# KiCad board pannel_v2.kicad_pcb (continued)
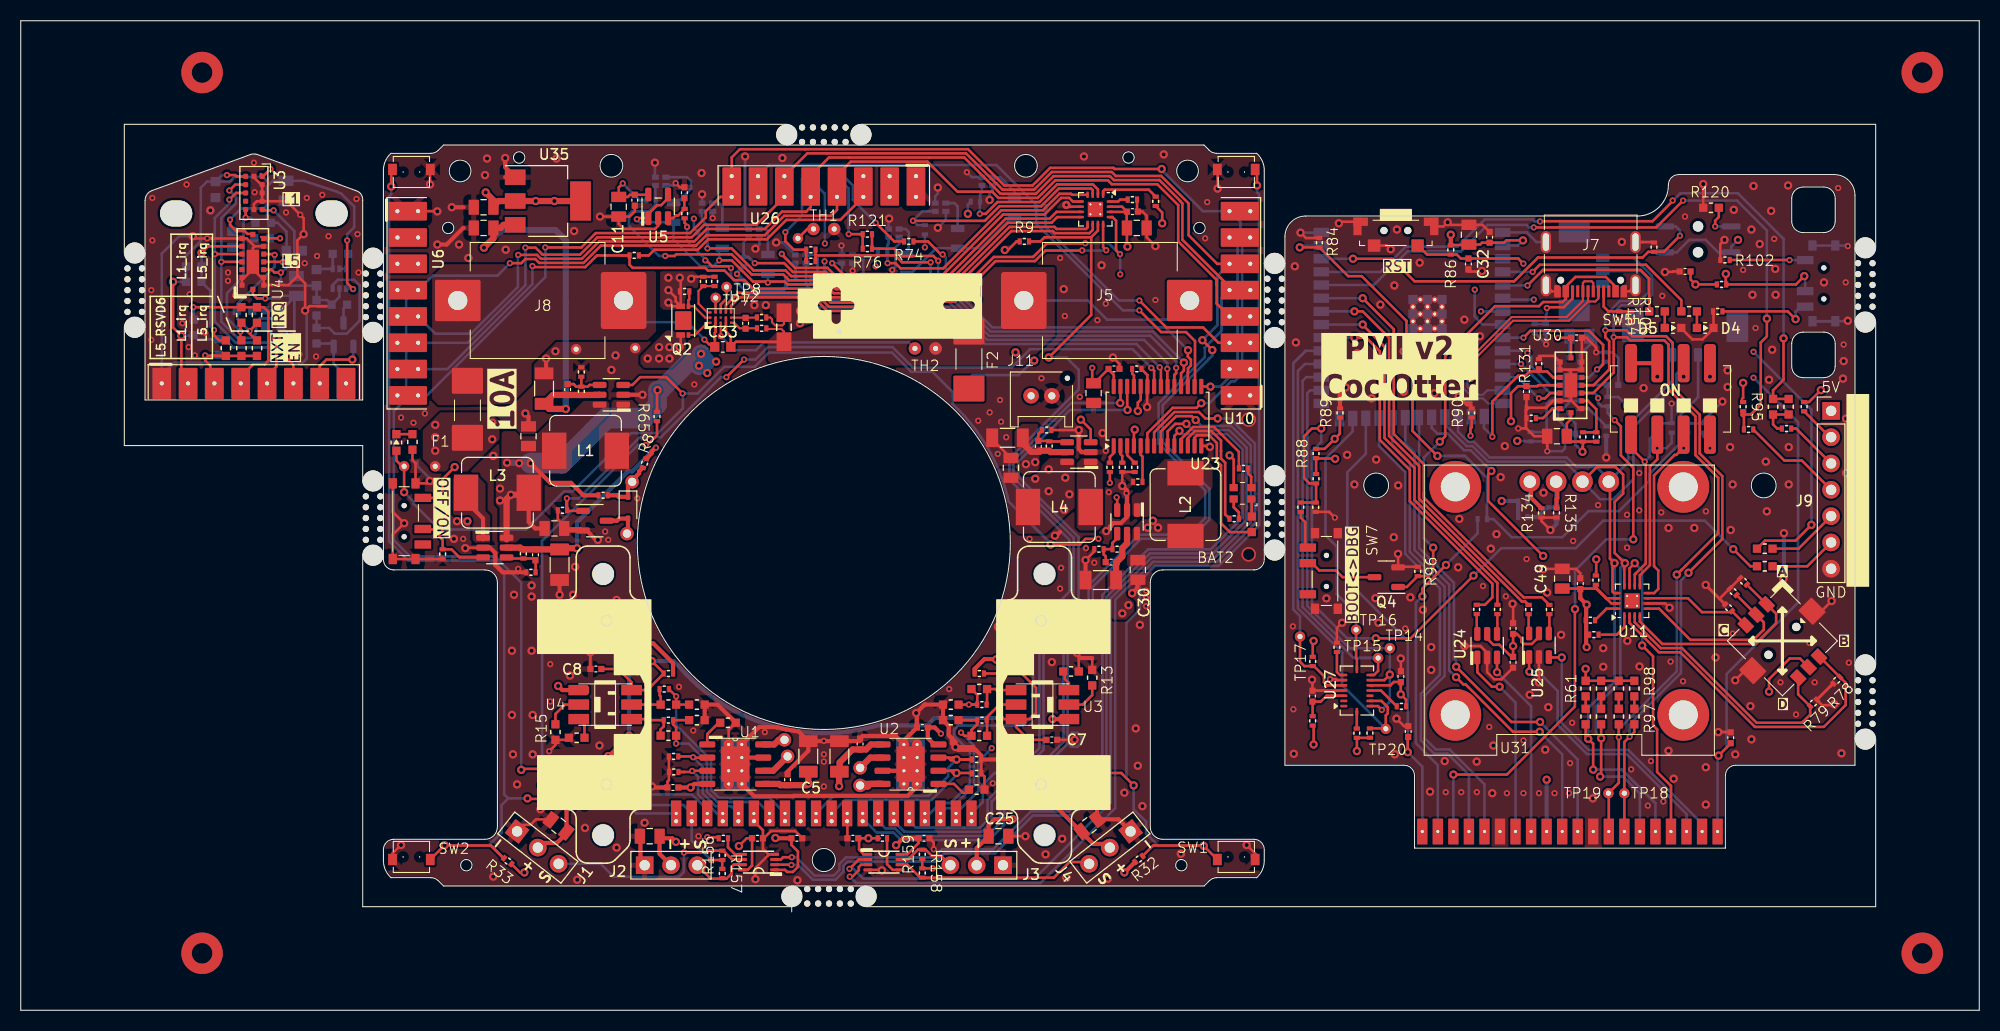
[diagram p0: board, top side]
## Nets (continued)
/VL53L5_RSVD6_3v3: R6#2.1 R11#2.2 R12#2.2 U4#2.C2
DETECT_IRQ_3v3: J1#2.4 R20#2.2 R21.2 R25#2.2
enable_next_board_3v3: J1#2.3 R4.2 R5#2.2 R6#2.2 R7#2.2
Net-(BAT2-C_BLUE): BAT2.2 R62.1
Net-(BAT2-C_GREEN): BAT2.4 R63.1
Net-(BAT2-C_RED): BAT2.1 R64.1
Net-(D1-C_BLUE): D1.2 R11.2 R117.2
Net-(D1-C_GREEN): D1.4 R76.2 R121.2
Net-(D1-C_RED): D1.1 R74.2
Net-(D2-A): D2.2 Q1.3 TP2.1
Net-(D2-K): D2.1 R8.1 R75.1 TP1.1
Net-(D4-PadA): D4.A R82.2
Net-(D5-PadA): D5.A R83.2
Net-(D7-PadC): D7.C R114.1
Net-(J7-CC1): J7.A5 R106.1 R154.1
Net-(J7-CC2): J7.B5 R104.1 R105.1
Net-(J9-3V3): J9.2 R138.2
Net-(J9-BOOT): J9.6 R140.2
Net-(J9-NRST): J9.5 R139.2
Net-(J9-RXD): J9.3 R137.2
Net-(J9-TXD): J9.4 R136.2
Net-(J49-vbat_mon_4.35V): J49.2 R103.2
Net-(Q1-D): Q1#2.3 R16#2.1
Net-(Q2-S): F1.2 Q2.S1 TP9.1
Net-(Q4-D): Q4.3 SW7.B
Net-(Q4A-DN): Q4#2.6 R15#2.1 R18#2.1
Net-(Q4A-GN): Q4#2.2 Q4#2.3 R17#2.1
Net-(R55-Pad2): R55.2 R59.1
Net-(R94-Pad2): R94.2 SW7.C
Net-(R97-Pad1): R97.1 R98.2
Net-(R100-Pad1): R99.2 R100.1
Net-(R102-Pad1): R102.1 SW3.A
Net-(R109-Pad1): R109.1 SW3.C
Net-(R120-Pad1): R120.1 U18.1
Net-(R149-Pad1): R61.2 R149.1
Net-(TH1-Pad1): TH1.1 TP12.1
Net-(U3-C1): R13.1 U3#2.2
Net-(U3-C2): R14.1 U3#2.3
Net-(U3-E1): R22.1 R25.1 U3#2.4
Net-(U3-E2): R17.1 R19.1 U3#2.5
Net-(U4-C1): R15.1 U4.2
Net-(U4-C2): R16.1 U4.3
Net-(U4-E1): R26.1 R28.1 U4.4
Net-(U4-E2): R20.1 R24.1 U4.5
Net-(U5-+): C9.1 R31.2 U5.3
Net-(U7-ADDR): R10.1 U7.16
Net-(U7-~{RESET}): R12.2 U7.1
Net-(U8-A): R34.2 U8.3
Net-(U9-A): R35.2 U9.3
Net-(U10-enable_next_board_3v3): R85.1 U10.3
Net-(U11-ADDR): R118.2 U11.16
Net-(U11-~{RESET}): R116.2 U11.1
Net-(U12-BAT_SN): TP8.1 U12.C3
Net-(U12-BAT_SP): TP7.1 U12.B3
Net-(U12-CHG): Q2.G1 U12.A1
Net-(U12-DSG): Q2.G2 R151.1 U12.A2
Net-(U12-PACK): R152.2 R153.2 U12.A3
Net-(U12-SRN): C55.2 R155.2 U12.E2
Net-(U12-SRP): C55.1 R81.2 U12.E1
Net-(U12-TS): TH2.1 U12.C1
Net-(U13-A): R40.2 U13.3
Net-(U14-A): R41.2 U14.3
Net-(U15-A): R46.2 U15.3
Net-(U16-A): R47.2 U16.3
Net-(U17-DIR): R143.2 U17.5
Net-(U19-A): R50.2 U19.3
Net-(U20-A): R51.2 U20.3
Net-(U21-DIR): R142.2 U21.5
Net-(U22-RSVD6): R125.2 R126.2 U22.C2
Net-(U23-A0): R57.2 U23.1
Net-(U23-A1): R56.1 U23.2
Net-(U23-A2): R58.1 U23.3
Net-(U23-A4): R60.1 U23.5
Net-(U23-EXTCLK): R54.1 U23.25
Net-(U24-1Y): R144.1 U24.6
Net-(U24-2Y): R145.1 U24.4
Net-(U25-1Y): R146.1 U25.6
Net-(U25-2Y): R147.1 U25.4
Net-(U26-enable_next_board_3v3): R87.1 U26.3
Net-(U27-INT1): R45.2 U27.16
Net-(U27-INT3): R101.2 U27.12
Net-(U27-ProtocolSelect): R39.1 U27.7
Net-(U27-Vdd): C20.1 R141.2 U27.3
Net-(U28-FB): C29.2 R66.2 R107.1 U28.4
Net-(U28-SW): L1.2 U28.1
Net-(U29-FB): C37.2 R67.2 R108.1 U29.4
Net-(U29-SW): L2.2 U29.1
Net-(U30-RSVD6): R129.2 R130.2 U30.C2
Net-(U31-GND): R133.1 R134.2 U31.1
Net-(U31-VCC): C31.1 R132.1 R135.1 U31.2
Net-(U32-IO45,GPIO45): R88.2 R89.1 U32.26
Net-(U32-IO46,GPIO46): R90.1 U32.16
Net-(U32-TXD0,U0TXD,GPIO43,CLK_OUT1): R91.1 R92.1 U32.37
Net-(U33-FB): C41.2 R110.2 R111.1 U33.4
Net-(U33-SW): L3.2 U33.1
Net-(U34-FB): C42.2 R112.2 R113.1 U34.4
Net-(U34-SW): L4.2 U34.1

Pads without a net: F2 1; J6 NC; J7 A8 B8; J9 1; J10 NC; Q2 D1/D2; SW7 A; SW8 C; U3 8; U4#2 C5; U6 3; U7 17; U11 17; U12 C2; U22 C5; U27 1 2 13; U30 C5; U31 NC

## Via types
v1: diameter 4, hole 2, Top to Bottom, 4 vias
v2: diameter 0.8, hole 0.4, Top to Bottom, 433 vias
v3: diameter 0.6, hole 0.3, Top to Bottom, 271 vias
v4: diameter 0.8, hole 0.3, Top to Bottom, 1 via
v5: diameter 1.4, hole 1.1, Top to Bottom, 3 vias

## Routing (per net, layer and track width the routed paths; a pad name or vN(x,y) marks a point on that pad's centre or on a via; arc(x,y) is an arc through that point)
+3.3V: length 100.8
  Top w0.25: U3.11 20.82,80.48 20.7,80.6 v3(19.9,80.6) ; U4#2.A4 25.27,72.23 v3(25.3,72.2) ; v3(20.2,76.3) 20.2,75.8 20.8,75.2 21.6,75.2 21.87,74.93 22.35,74.93 U4#2.B1 ; U4#2.B7 22.4,69.1 22.8,68.7 v3(23.6,68.7) ; 16.9,61.25 J1#2.2 15.5,61.15 v2(15.5,65.1) 14.7,65.9 v2(14.7,70.3) ; 31.47,74.28 v3(31.5,74.3) 31.5,70.17 v3(32.08,69.6) ; U3.1 23.38,80.48 v3(24.1,81.2)
  Bottom w0.25: 23.78,77.7 23.78,79.5 24.04,79.76 ; 23.78,77.7 23.78,77.4 ; 23.78,77.7 23.47,77.4 ; 23.47,77.4 23.78,77.1 23.78,77.4 ; 23.47,77.4 23.2,77.4 ; 23.78,77.4 23.78,76.38 R8#2.1 24.8,76 25.65,75.15 25.65,73.53 25.42,73.3 25.62,73.1 25.62,72.53 v3(25.3,72.2) ; 23.78,77.4 23.2,77.4 ; 23.2,77.4 21.3,77.4 v3(20.2,76.3) 20.2,75.38 C8#2.1 ; 26.4,68.95 26.4,64.5 25.88,63.97 20.49,63.97 19.71,64.75 17.1,64.75 16.75,65.1 v2(15.5,65.1) ; 26.4,68.95 26.55,68.95 25.15,67.55 R10#2.1 R9#2.1 22.5,67.55 22.35,67.4 ; 26.4,68.95 25.25,68.95 25,68.7 v3(23.6,68.7) ; v3(31.5,74.3) 31.5,74.9 32.18,75.58 32.18,77.57 30.95,78.8 30.5,79 27.3,80.05 C5#2.1 ; v2(14.7,70.3) R12#2.1 15.95,72.82 17.38,74.24 17.38,79.38 17.97,79.97 18.9,79.97 18.9,80.08 19.42,80.6 v3(19.9,80.6) ; C5#2.1 25.25,80.05 v3(24.1,81.2) ; C5#2.1 24.33,80.05 24.04,79.76 ; v3(32.08,69.6) 32.03,69.65 Q4#2.4 ; 24.04,79.76 23.38,80.42 20.62,80.42 20.17,79.97 C4#2.2
+3V3: length 93
  Top w0.25: U23.28 105.47,61.33 104.97,61.83 C13.1 103.59,60.51 C14.1 103.4,60.64 v3(103.4,62) ; v2(107.8,57.84) 107.8,58.64 108.07,58.91 U23.24 ; U7.14 106.68,77.05 106.72,77.1 ; R9.1 96.1,74.2 95.28,73.38 v2(94.97,73.38) ; v2(110.15,75.95) 110.15,76.99 R12.1 ; v2(48.6,13.3) 48.18,13.3 R33.1 ; U17.1 81.3,15.05 81.3,15.1 80.9,15.5 80.9,16.43 81.07,16.6 v2(81.8,16.6) 82.9,16.6 ; U5.5 60.54,78.7 C10.1 58.8,78.7 58.6,78.5 C11.1 57.7,79.4 v3(58.1,79.8) ; R142.1 67.25,16.7 v3(66.25,16.7) ; 106.72,77.1 106.28,77.55 U7.15 ; 106.72,77.1 106.72,75.33 106.75,75.3 106.75,73.75 v2(106.8,73.7) ; 36.75,74.58 37.7,74.58 38.42,75.3 ; v2(107.5,56.04) 107.43,55.96 U23.4 ; v2(116.65,53.55) 117.05,53.15 BAT2.3 ; C15.1 74.38,15.95 75,15.32 75,13.84 74.51,13.35 73.95,13.35 73.75,13.55 U21.1 ; v3(105.1,50.9) R57.1
  Top w0.4: v3(88.8,26.7) 88.21,27.29 C2.1 87.53,26.27 88.15,25.66 U2.4 ; v2(94.14,33.85) 94.1,33.89 93,33.89 92.05,32.94 R30.2 ; U4.1 52.26,30.9 v2(51.86,31.3) ; C1.1 v2(64.64,21.5) 64.99,21.84 U1.4 ; v2(72.83,16.62) 72.85,16.6 C15.1 ; R32.1 106.52,13.3 v2(106.5,13.3) 106.5,13.33 ; v2(99.56,28.1) U3#2.1 101.05,28
  Top w0.6: 45.09,78.71 45.9,77.9 46.1,78.1 v2(49.7,78.1) 53.05,78.1
  Bottom w0.25: v3(82.5,71.8) 82.5,72.85 R43.1 ; v3(77.57,72.28) 77.56,72.27 77.56,71.49 R37.1 ; v3(87.25,73.62) R49.1 ; D1.3 77.59,78.81 77.59,74 v3(77.6,74) ; R52.1 59.73,78.17 v3(58.1,79.8) ; R48.1 64.96,75.5 v3(64.96,76.4) ; R53.1 91.4,77.76 v2(91.4,76.86)
  Bottom w0.4: R36.1 73.87,69.83 73.58,69.55 70.63,69.55 v3(69.12,71.06) 69.12,71.15 R42.1 ; v2(72.83,16.62) 72.85,16.6 73,16.6 73.05,16.65 ; v2(51.86,31.3) 51.95,31.3 ; J50.9 J50.9
  vias: v2(44.87,78.93) v2(51.5,78.1)
+3V3_m: length 130.2
  Top w0.25: U11.15 153.5,39.26 152,40.76 153,39.76 U11.14 153.72,39.76 ; 153.11,39.65 152.06,40.7 C49.1 ; v2(161.61,70.05) 161.72,70.16 ; v2(161.61,70.05) 161.14,70.53 C28.1 ; v2(161.61,70.05) R119.1 ; v2(166.21,60.55) 166.21,59.11 166.1,59 ; R101.1 133.69,29.98 v2(133.18,30.49) 133.18,31.3 133.19,31.31 C12.1 133.18,31.69 132.51,31.69 132.18,31.36 U27.11 ; 130.05,26.3 130.04,26.29 R45.1 128.94,26.29 v2(128.94,25.01) ; v2(151.11,39.15) 151.16,39.2 ; R130.1 152.05,54.88 R129.1 ; R130.1 150.75,54.4 150.71,54.36 v2(150.71,53.9) ; R130.1 149.53,54.88 149.5,54.85 ; 160.9,62.45 160.78,62.58 160.46,62.58 ; 138,73.85 139.7,73.85 C35.1 140.84,73.9 141.01,74.08 143.14,74.08 143.36,74.3 v2(144.96,74.3) ; U30.A4 146.43,60.32 146.34,60.22 145.45,60.22 ; 151.01,33.05 v2(151.01,32.95) R61.1 R98.1 ; R93.1 125,53.25 126.81,53.25 v2(126.84,53.22) ; SW4.5 171.7,33.95 170.7,33.95 168.71,31.96 v2(168.71,30.75) ; R141.1 124.76,27.39 v2(124.76,25.65) ; v3(148.35,64.9) 149.5,64.9 149.6,64.8 U30.B7 ; v2(173.71,59.85) 172.56,58.7 R138.1 ; 124.59,35.48 v2(124.76,35.65) 124.68,35.57 R44.1 ; U30.B1 149.6,57.05 149.2,56.65 C52.1 ; 150.5,40.62 150.5,39.84 ; 145.3,60.22 144.49,60.22 143.81,59.55 v2(143.81,56.85) ; U24.5 141.51,35.88 142.11,35.28 142.69,35.28 143.96,34 144.01,34 v2(144.01,35.15) C16.1 144.39,36.32 144.81,35.9 144.81,35.58 145.04,35.35 145.82,35.35 146.51,36.04 U25.5
  Top w0.4: 150.5,39.76 v2(151.11,39.15) 151.06,39.1 151.06,35.1 v2(151.11,35.05) ; 150.5,39.76 150.5,40.62 ; 150.5,39.76 150.5,39.84 ; 155.41,63.65 155.39,63.63 SW5.8 SW5.7 157.93,63.63 157.91,63.65 ; 138,73.85 v2(138,74.85)
  Bottom w0.25: U22.B7 149.4,65 149.55,65.15 149.3,64.9 v3(148.35,64.9) ; U22.A4 151.31,60.32 151.34,60.35 C57.1 ; C57.1 153.11,60.25 ; C57.1 153.13,60.33 R123.1 154.15,59.19 154.16,59.2 v2(155.01,58.35) ; v2(144.96,74.3) 144.46,73.8 U32.2 ; v2(165.71,74.35) 165.06,73.7 U18.2 163.81,73.15 162.61,74.35 161.01,74.35 159.81,73.15 U18.3 ; R125.1 R126.1 145.16,54.9 145.11,54.95 v2(144.41,54.95) ; U22.B1 149.4,57.25 150.03,56.62 150.03,54.59 v2(150.71,53.9) ; v2(161.61,70.05) 161.61,70.03
  Bottom w0.4: v2(147.25,22.25) J49.9 ; 142.96,49.1 v2(142.91,49.15) 144.45,49.15 R133.2 R132.2 ; J6.5 163.11,61.85 163.01,61.75 v2(163.01,61.15)
  vias: v2(157.93,61.15) v2(160.47,61.15)
+5V: length 140.7
  Top w0.25: C19.1 70.05,16.6 v2(69.3,15.85) 69.58,15.85 ; U17.8 85.55,15.05 86.64,16.14 C21.1 ; 70.57,16.75 70.57,13.97 70.15,13.55 U21.8
  Top w0.4: v2(63.22,16.25) 62.88,16.6 61.65,16.6 61.65,15.1 J2.2 ; v2(58.7,35.4) 61.05,35.4 62.95,33.5 R29.2 ; v2(56.69,24.53) 56.75,24.53 v2(58.71,26.48) ; v2(84.47,15.94) 85.14,16.6 C21.1 ; v2(53.3,19.72) 53.12,19.72 52.67,19.27 52.67,17.08 51.74,16.15 50.35,16.15 50.3,16.1 ; J3.2 92.25,15.65 C25.1 93.4,17.85 94,18.45 v2(95.71,18.45) ; 104.7,16.1 104.65,16.05 103.5,16.05 103.5,16.06 99.66,19.9 v2(99,19.9)
  Top w0.6: U29.5 106.76,45.06 106.3,44.6 106.3,43.8 105.75,43.25 C37.1 105.71,43.2 C38.1
  In1.Cu w1: 95.91,18.65 95.95,18.65 97.2,19.9 v2(99,19.9) 101.1,22 101.9,22 105.8,25.9 105.8,38 v2(106.9,39.1) ; 95.91,18.65 93.75,16.49 87.59,16.49 87.04,15.94 v2(84.47,15.94) 84.04,15.5 81.4,15.5 80.2,16.7 74.39,16.7 73.88,16.19 73.88,16.19 73.26,15.57 69.58,15.57 v2(69.3,15.85) 69.15,15.7 64.95,15.7 64.4,16.25 v2(63.22,16.25) 63.28,16.2 64.35,16.2 60.1,16.2 57.6,18.7 53.97,18.7 53.3,19.37 v2(53.3,19.72) ; 95.91,18.65 v2(95.71,18.45)
  Bottom w0.4: v2(69.3,15.85) 69.25,15.8 ; v2(53.3,19.72) 53.3,21.07 56.69,24.46 v2(56.69,24.53) ; v2(58.7,35.4) 58.71,35.39 v2(58.71,26.48)
  vias: v2(106.3,38.3)
/power_supply/P3V9: length 37
  Top w0.6: 46.75,75.8 46.6,75.8 46.3,75.5 C45.1 45.62,74.52 v2(44.7,73.6) ; U28.5 55.84,59.38 52.62,59.38 52.6,59.4 ; C29.1 51.36,59.38 C36.1 50.99,58.03 v2(52.6,58.03)
  Bottom w0.6: v2(52.6,58.03) 52.6,74.3 51.6,75.3 46.4,75.3 v2(44.7,73.6)
GND: length 346.9
  Top w0.2: R155.1 72.33,66.87 72.5,66.7 72.5,66.4 72.8,66.1 73.5,66.1 73.65,66.25 R150.2
  Top w0.25: U3.6 22.5,77.8 22.78,78.08 U3.4 ; U3.12 22.5,80.39 23.21,79.68 U3.2 U3.4 ; U5.2 61.51,75.71 61.2,75.4 58.2,75.4 57.7,75.9 C11.2 ; 22.57,73.73 U4#2.A2 ; 22.57,73.73 22.4,73.56 U4#2.B4 22.4,71.53 ; 22.57,73.73 21.82,74.48 U4#2.C1 16.82,74.48 v2(16.6,74.7) ; R1.2 62.55,22.2 62.41,22.06 C1.2 ; v2(106.3,50.6) R56.2 R58.2 ; v2(101.7,26.1) C7.2 ; v4(100.9,77.72) 101.07,77.55 U7.6 ; v2(54.97,34.55) C8.2 ; R6.2 93,22.57 R2.2 R4#2.2 92.7,24.58 92.15,25.13 ; Q1.2 54.06,46.5 C39.2 52.45,46.75 51.83,47.37 R5.2 ; v2(42.9,44.6) 42.95,44.65 U33.2 ; v2(40.2,77.1) 40.18,77.12 U6.1 ; 72.15,15.05 71.62,15.57 C19.2 ; 72.15,15.05 U21.4 ; 72.15,15.05 72.15,14.98 70.9,13.73 v2(70.9,12.65) ; v2(114.75,54.38) 114.65,54.47 U23.14 ; C10.2 59.26,77.1 58.75,76.6 C11.2 ; J50.12 79.78,18.22 C17.2 ; R7.2 68.31,27.06 U1.9 ; C40.2 93.75,55.1 C44.2 ; C25.2 v2(96.95,16.8) ; 22.4,71.53 23.2,70.73 U4#2.A6 U4#2.A7 25.83,69.98 26.7,70.85 ; 22.4,71.53 21.6,70.73 U4#2.C6 U4#2.C7 ; v2(109.5,73.75) 108.65,74.6 108.65,76.68 108.25,77.08 C47.2 107.72,77.16 R10.2 ; R113.2 v2(102.1,56) 102.07,56.03 ; U3.4 25.67,78.08 27.3,76.45 v2(27.3,74.9) 26.7,74.3 26.7,70.85 ; C13.2 106.03,62.38 v2(105.4,63) ; v3(88.11,15.54) 88.1,15.54 88.1,16.2 87.81,16.49 87.8,16.49 C21.2 ; SW2.2 35.88,15.12 v2(36.7,15.95) ; SW8.MP 35.9,48.1 v2(37,47) 35.9,45.9 SW8.MP 40.7,43.55 40.8,43.65 ; v2(39.5,79.7) 39.5,81.12 SW9.2 ; C9.2 63.6,79.43 v3(63.2,79.83) ; 108.16,61.86 108.72,61.3 U23.23 108.7,60.17 v2(108.7,58.21) ; 39,76.5 38.38,77.12 36.75,77.12 ; 102.25,34 102.1,33.85 R14.2 ; v2(118.3,15.95) 119.12,15.12 SW1.1 ; v2(102.75,43.44) 103.6,44.29 R108.2 ; 39.35,51.22 v2(39.48,51.08) 39.25,50.85 SW8.MP 38.1,52.8 37.8,53.1 R114.2 ; 51.33,18.42 49.72,18.42 49.2,17.9 48.5,17.9 ; 26.7,70.85 26.75,70.85 27.44,70.16 v2(27.44,67.53) 27.86,67.95 29.5,67.95 28.65,67.95 ; C19.2 71.7,16.6 72.4,17.3 74.74,17.3 75.43,16.61 C15.2 ; C19.2 71.62,17.38 J50.6 ; C11.2 55.9,76.6 v2(55.9,76.6) ; v2(83.1,13.5) 83.05,13.55 U17.4 ; 86.41,27.11 v2(86.41,28.69) 86.16,28.69 ; 52.75,26.5 52.7,26.5 ; v2(115.5,79.3) 115.5,81.12 SW6.1 ; C30.2 107.75,41.5 ; R13.2 103.4,34 ; v3(51,25) 51.6,25.6 R15.2 52.7,26.1 R16.2
  Top w0.4: U2.9 85.25,25.66 ; U2.9 85.23,26.04 C2.2 86.48,28.62 v2(86.41,28.69) 87.22,29.5 87.27,29.5 ; U2.9 84.41,26.47 81.25,26.47 C4.2 ; v2(106.3,50.6) 106.68,50.22 106.7,50.22 106.76,50.16 106.76,48.46 ; v2(99.8,45.8) 99.98,45.98 100.1,45.98 100.3,46.18 ; 86.5,21.59 85.6,20.7 74.62,20.7 74.58,20.66 70.77,20.66 U1.9 ; v2(107.25,40.25) 107.75,40.75 107.75,41.5 ; C27.2 49,57.3 v2(48.7,57.6) ; R4#2.2 v2(94.7,24.2) ; U1.7 U1.9 ; 89.55,26.55 89.85,26.25 89.85,25.75 90.47,25.13 92.15,25.13 ; 89.55,26.55 90.2,25.9 v2(90.2,25.4) 91.88,25.4 92.7,24.58 ; 89.55,26.55 89.55,27.45 R18.2 R23.2 87.27,29.5 ; U29.2 106.76,47.61 106.16,47.01 105.45,47.01 105.16,46.72 105.16,46.66 v2(104.75,46.25) ; 46.7,82.3 v2(46.75,82.25) 46.75,81.37 U35.1 46.75,80.4 ; R7.2 67.25,29.5 R21#2.2 R27.2 ; C24.2 59.8,16.75 59.8,14.41 J2.1 ; v2(40.2,73.9) 41.1,73.9 42.7,75.5 42.75,75.5 ; v2(55.7,45.4) 55.51,45.4 54.61,46.3 52.65,46.3 C39.2 52.45,46.95 ; C36.2 50.7,61.67 v2(50.7,62.9) ; 87.27,29.5 87.2,29.46 87.14,29.42 ; v2(52,40.1) C43.2 ; C5.2 76,25.03 74,23.03 74,23.03 ; C5.2 75.07,26.91 74.69,26.96 73.84,27.11 72.99,27.3 72.92,27.32 71.25,27.32 U1.9 ; C5.2 C6.2 80.95,25.97 81.08,26.1 ; v2(60.9,21.6) 61,21.5 C1.2 62.16,21.5 62.15,21.49 ; v2(101.93,34.5) 101.93,34.32 102.25,34 103.4,34 ; R111.2 46.5,42.27 45.8,42.97 45.8,44.12 45.28,44.65 U33.2 ; U28.2 v2(60,59.4) ; v2(102.75,43.44) C38.2 ; v2(104,20.3) 103.87,20.17 C26.2 105.93,18.43 J4.1 ; 85.23,22.87 84.98,23.12 83.16,23.12 ; v2(102.1,56) 102.1,54.17 102.4,53.87 U34.2 ; 42.75,77.5 v2(41.6,77.5)
  Bottom w0.25: v2(69.9,82.4) 69.9,75.75 U13.2 ; v3(80.28,71.38) 80.28,71.3 ; 80.28,71.3 80.28,70.58 79.3,69.6 76.18,69.6 75.78,70.01 U8.4 ; 80.28,71.3 U9.4 ; v2(61.2,81.8) 61.2,80.45 U19.2 ; 38.3,53 38.3,52.5 39.48,51.32 v2(39.48,51.08) ; U16.2 88.25,78.57 88.5,78.82 v2(88.5,79.4) ; 16.8,74.9 v2(16.6,74.7) 15.27,74.7 13.61,73.04 J1#2.1 13.61,61.31 14.8,62.5 27.2,62.5 27.6,62.9 27.6,67.37 v2(27.44,67.53) ; U20.4 93.78,79.12 93.5,78.85 v2(93.5,78.2) ; v3(84.1,71.45) 84.4,71.75 84.4,73.6 84.78,73.97 U14.4 ; U19.4 62.97,79.6 v3(63.2,79.83) ; U9.2 79.25,73.75 v3(79.2,73.8) ; U13.4 71.28,73.88 v2(70.9,73.5) ; v3(66.78,76.45) U15.4 ; U8.2 73.55,74.1 v2(72.9,74.1) ; U15.2 v2(65.75,78.75) ; U16.4 89.28,76.29 v2(88.5,75.52) ; v2(83.8,76.4) 83.75,76.35 U14.2 ; v3(91.3,80.88) 91.78,80.4 U20.2 ; R17#2.2 Q4#2.1 28.62,71.55 C9#2.2
  Bottom w0.4: J50.12 J50.12 ; J50.6 J50.6
  vias: v2(18.3,77.2) v2(41.8,45.5) v2(42.1,47.2) v2(42.3,73.9) v2(43.1,47.2) v2(43.2,72.6) v2(44.8,80.6) v2(45,82.2) v2(45.6,53.5) v2(45.6,12.9) v2(46.8,73.4) v2(47.4,34.7) v2(47.4,28.5) v2(47.5,24.7) v2(47.6,40.1) v2(47.9,21.8) v2(49.3,41) v2(49.3,39.93) v2(49.3,34.7) v2(49.4,28.5) v2(49.4,24.7) v2(50.15,19.4) v2(51.6,63.6) v2(51.7,82.2) v2(53,32.3) v2(52.95,22.5) v2(53.3,40.1) v2(53.4,75.2) v2(53.5,42.8) v2(53.7,12.6) v2(54.45,17.6) v2(55.85,25.55) v2(57,61.8) v2(57.4,63.2) v2(57.5,39.6) v2(57.5,15.7) v2(57.6,22.22) v2(58.7,21.35) v2(60.2,18.1) v2(60.3,37.8) v2(60.4,24.5) v2(65.7,80.8) v2(70.8,68.05) v2(71.9,68.05) v2(73.5,82.25) v2(74.95,12.55) v2(75.2,67.5) v2(75.2,66.3) v2(76.2,66.8) v2(92.3,68.6) v2(94.3,37) v2(95.6,25.9) v2(96,63.5) v2(96.6,36) v2(98.9,15.05) v2(99.5,33.6) v2(100.5,16.55) v2(100.65,69.6) v2(100.8,23.9) v2(100.9,12.8) v2(101,20) v2(102.6,82.4) v2(103.69,37.1) v2(104.3,71.9) v2(104.4,55.7) v2(104.9,12.7) v2(106.5,21) v2(107.6,27.2) v2(107.8,23.6) v2(108,37.2) v2(108.24,19.7) v2(110.3,82.6) v2(111.95,15.1) v3(12.6,69.5) v3(12.6,64.7) v3(12.7,78.4) v3(12.7,74.3) v3(15.6,66.3) v3(16,79.7) v3(16.2,64) v3(16.3,69.1) v3(16.8,63.2) v3(17.8,65.4) v3(18,74.5) v3(20,71.2) v3(20,70.4) v3(20.7,69) v3(22.5,81.8) v3(22.57,78.95) v3(25.6,77) v3(26.9,63.3) v3(26.97,76.78) v3(27.4,72.1) v3(27.6,78.4) v3(28.5,63.1) v3(28.6,72.8) v3(29.1,78.7) v3(29.7,74.7) v3(32.4,78.3) v3(32.5,74.9) v3(32.6,71.2) v3(36.7,57.2) v3(37.9,56.7) v3(39,57.6) v3(42.7,45.5) v3(48,42.6) v3(51,39) v3(51.1,33.4) v3(51.1,29.8) v3(56.4,46.2) v3(56.7,45.4) v3(59.5,49.4) v3(59.5,32.6) v3(60.5,26.9) v3(63.52,31.22) v3(64.9,27) v3(65,60.4) v3(65.4,16.8) v3(71.8,26.84) v3(77.5,26) v3(77.5,24.7) v3(77.5,24) v3(77.5,21.6) v3(89.6,31) v3(92.4,56.9) v3(93.5,57.7) v3(93.8,21.9) v3(94.28,53.69) v3(94.5,58.9) v3(94.6,56.8) v3(95.1,55.3) v3(97.35,45.5) v3(98.5,61) v3(100.3,72.6) v3(100.3,40.7) v3(100.4,42.7) v3(100.75,67) v3(102.2,59.2) v3(102.3,38.4) v3(102.8,44.6) v3(103.6,43.2) v3(103.9,66.6) v3(104.7,68.2) v3(104.7,54) v3(105,50) v3(106.7,49.9) v3(108.6,40.5) v3(108.6,39.8) v3(108.6,39) v3(109.5,68.55) v3(114.3,74.5) v3(114.5,78) v5(40.5,48.1) v5(118.5,57) v5(118.5,44)
GND_m: length 194.7
  Top w0.25: 139.16,58.79 139.55,58.4 140.01,58.4 ; 139.16,58.79 138.7,59.25 v2(138.78,59.25) ; 139.16,58.79 139.3,58.65 140,58.65 ; 147.57,58.52 147.87,58.82 ; 147.87,58.82 U30.A2 149.65,58.82 ; 147.87,58.82 147.2,58.15 145.53,58.15 145.25,57.88 ; 145.47,58.15 145.3,58.33 C58.2 ; C34.2 141.74,75.12 141.06,75.8 C35.2 137.95,75.8 v2(137.7,76.05) 137.3,75.65 SW10.MP ; 149.6,61.82 U30.C6 U30.C7 150.65,64.89 C59.2 151.1,64.9 152.03,63.97 v3(152.03,63.5) ; 149.6,61.82 U30.B4 149.6,58.87 149.65,58.82 ; 149.6,61.82 U30.A6 U30.A7 147.97,63.15 146.5,63.15 ; J7.SHIELD 147.75,69.39 J7.A12 ; v2(164.41,74.35) 164.01,73.95 R102.2 ; 156.6,74.14 J7.SHIELD 157.35,74.14 157.39,74.1 R122.2 ; 164.25,26.85 v2(163.81,26.85) 164.99,26.85 C22.2 ; U27.4 124.67,30.86 C20.2 124.65,31.86 v2(124.61,31.9) ; v2(162.36,79.74) R120.2 ; v2(143.96,39.22) 144.01,39.17 C16.2 ; 159.84,71.31 159.46,71.31 159.41,71.26 158.68,71.26 v2(158.66,71.25) ; v2(132.2,73.45) 131.85,73.8 SW10.1 ; 149.65,58.82 150.4,58.07 U30.C1 ; R39.2 127.01,36.9 v2(127.51,37.4) ; C12.2 133.19,33.94 v2(133.18,33.95) ; R80.2 126.26,48.1 v3(126.81,47.55) ; R72.2 164.27,39.38 ; 164.27,39.38 163.96,39.69 ; 164.27,39.38 v2(162.6,41.05) 163.72,39.93 ; C54.2 133.49,27.43 v2(132.76,28.15) ; C18.2 142.9,31.95 142.18,31.95 141.51,32.62 U24.2 141.51,34.5 140.86,35.15 v2(139.31,35.15) ; v2(175,29.55) 174.9,29.45 173.84,29.45 R79.2 ; 167.75,73.95 v2(167.81,73.95) ; R73.2 163.96,39.74 163.96,39.69 ; v2(147.61,46.35) 146.75,47.21 R134.1 R135.2 ; 148.91,42.38 148.75,42.21 ; SW10.MP 127.35,76.1 v2(127.2,75.95) ; R79.2 174.88,31.53 R78.2 174.65,31.26 174.61,31.26 ; R79.2 174.61,31.26 ; J7.A1 155.25,69.39 J7.SHIELD ; 174.61,31.26 174.68,31.33 ; C50.2 150.5,42.17 150.07,42.6 C49.2 147.12,42.6 147.09,42.57 v2(146.94,42.57) ; 163.35,67.24 D4.C ; v3(126.34,31.95) 126.92,31.95 127.01,31.86 U27.6 ; v3(144.51,56.15) 145.21,56.15 145.25,56.19 145.25,57.15 ; v2(174.75,39.5) 173.76,38.51 SW4.MP ; 163.96,39.69 163.82,39.83 ; v2(165.45,31.85) 166.39,32.79 SW4.MP ; 132.81,43.95 v2(132.91,44.05) Q4.2 132.96,42.8 R96.2 ; 140.71,71.29 139.7,71.29 ; 127.31,58.4 127.31,59.24 127.3,59.25 ; R84.2 124.02,74.53 v2(123.5,75.05) 123.5,74.95 123.68,75.12 ; 160.25,65.8 161.3,64.75 162.3,64.75 163.35,65.8 ; 145.25,57.55 145.25,58 ; v3(147.31,53.95) 147.31,54.44 147.3,54.45 C52.2 146.05,55.4 145.25,56.2 145.25,58.38 ; U25.2 v2(146.51,31.65) ; v2(159.11,38.85) 158.7,39.26 U11.6
  Top w0.4: R89.2 127.31,59.04 127.3,59.05 ; v2(127.86,60.11) 127.3,59.55 ; 127.3,59.55 127.3,59.05 ; 127.3,59.55 127.3,59.05 ; 127.3,59.05 127.3,58.5 ; 165.51,24.76 v2(165.45,24.7) ; 175.6,24.7 v2(175.7,24.8) ; 163.35,65.8 163.45,65.9
  Bottom w0.25: 153.16,63.5 v3(152.03,63.5) 152.03,64.58 151.45,65.15 151.45,64.25 150.45,63.25 U22.A7 U22.A6 149.4,61.82 ; 149.4,61.82 U22.B4 149.4,58.62 148.85,58.07 U22.C1 148.35,57.01 149.01,56.35 149.01,54.21 148.75,53.95 v3(147.31,53.95) ; 149.4,61.82 U22.C6 U22.C7 ; U32.41 U32.41 ; SW3.MP SW3.MP 176.26,66.5 v2(176.31,66.55) ; v2(164.21,58.75) 162.31,56.85 R71.2 R70.2 ; C57.2 154.16,62.95 153.62,63.5 R127.2 ; U22.A2 149.43,58.82 149.4,58.85 ; U32.40 125.48,75.05 v2(123.5,75.05) ; 174.9,29.45 v2(175,29.55) ; v2(135,72.15) 135.05,72.1 ; 164.6,60.15 v2(164.71,60.15) ; v3(176.31,73.75) 176.26,73.8 SW3.MP SW3.MP ; J7.SHIELD 146.27,74.14 145.34,75.07 U32.1 ; v3(159.31,58.55) R69.2 R68.2 ; 139.31,66.66 v2(139.31,66.65) ; 155.71,69.96 J7.SHIELD ; U32.41 U32.41 ; R105.2 147.2,65.33 v3(147.2,64.28) 146.12,65.35 R104.2 ; U32.41 U32.41 ; U32.41 U32.41
  Bottom w0.4: R124.2 v2(153,53.35) 153,53.25 ; v2(147.61,46.35) 148.2,46.94 148.2,47.22 ; v2(170.15,46.05) 170.15,41.7 v2(170.1,41.65) ; v2(175.85,60.96) 175.91,61.03 ; 136.25,59.7 v2(136.4,59.55)
  vias: v2(122.85,24.75) v2(122.95,71.8) v2(123.05,64.45) v2(126,39.75) v2(128,53.6) v2(128.41,39.95) v2(128.7,50.75) v2(128.95,63.4) v2(130.35,59.05) v2(130.73,39.77) v2(130.8,53.15) v2(131.01,37.4) v2(131.2,68.1) v2(132.5,45.65) v2(132.55,69.95) v2(132.6,24.7) v2(132.8,75.35) v2(132.93,50.65) v2(133.45,63.6) v2(133.45,59.7) v2(134.1,39.85) v2(135.31,38.65) v2(136,21.1) v2(136.11,35.05) v2(136.11,32.85) v2(137.41,24.05) v2(138.21,62.45) v2(138.71,42.75) v2(138.82,47.42) v2(140.5,24) v2(140.81,65.05) v2(141.01,71.35) v2(141.86,44.55) v2(142,20.95) v2(142.11,25.55) v2(142.41,45.95) v2(142.81,51.45) v2(143.21,54.45) v2(145.61,30.45) v2(146.95,49.95) v2(147.11,25.15) v2(147.3,40.31) v2(147.41,29.25) v2(148.64,36.23) v2(151.71,20.45) v2(152.71,34.95) v2(152.71,33.15) v2(154.51,74.15) v2(155.04,35.65) v2(156.21,33.18) v2(156.61,60.05) v2(159.01,46.55) v2(159.01,25.05) v2(159.51,22.35) v2(161.5,46.55) v2(162.61,23.45) v2(162.61,19.85) v2(163.55,34.05) v2(164.71,61.75) v2(164.95,54.35) v2(165.01,46.35) v2(165.2,50.75) v2(165.31,77.25) v2(166.91,29.35) v2(167.01,75.35) v2(167.01,26.15) v2(167.11,69.05) v2(167.21,79.55) v2(168.4,52.95) v2(168.5,48.15) v2(168.71,60.85) v2(168.91,77.15) v2(169.01,63.75) v2(169.31,71.55) v2(169.35,69.05) v2(170.55,79.6) v2(170.61,54.35) v2(170.61,50.75) v2(174.01,70.25) v2(175.91,62.65) v2(176.15,57.1) v2(176.15,51.85) v3(122.76,37.05) v3(122.81,29.05) v3(133.61,36.85) v3(137.51,21.05) v3(139.01,21.05) v3(140.51,21.05) v3(141.11,40.95) v3(141.71,27.35) v3(143.31,39.95) v3(143.41,20.95) v3(145.01,26.05) v3(145.01,20.95) v3(145.31,43.55) v3(146.51,20.95) v3(148.01,20.95) v3(149.41,20.95) v3(149.51,23.85) v3(149.71,27.75) v3(149.81,45.3) v3(152.21,48.75) v3(155.01,47.83) v3(155.01,44.65) v3(155.41,23.25) v3(156.19,51.85) v3(156.19,48.25) v3(157.01,19.75) v3(157.31,24.05) v3(158.31,48.05) v3(158.41,68.95) v3(158.51,20.15) v3(159.21,33.65) v3(160.41,31.75) v3(160.6,76.6) v3(162.61,48.15) v3(165.21,36.35) v3(166.21,71.45) v3(167.41,65.85) v3(167.81,57.25) v3(169.21,74.45) v3(169.81,31.65) v3(171.31,28.55) v3(172.61,35.45) v3(173.11,31.65) v3(175.38,79.35) v3(175.91,64.25) v3(176.11,70.25) v3(176.41,33.55)
(no net):
  vias: v1(17.5,90.5) v1(17.5,5.5) v1(183.5,90.5) v1(183.5,5.5)
+BATT: length 58.9
  Top w0.2: 64.84,70.46 v2(64.7,70.6)
  Top w0.25: Q2.S2 63.68,70.62 v2(63.6,70.7) ; Q2.S2 62.86,67.94 v2(62.5,68.3) ; Q2.S2 63.2,68.42 63.2,68.8 v2(62.5,69.5) ; R153.1 64.89,70.79 v2(64.7,70.6) ; v2(41.88,52.42) 40.7,51.25 40.7,50.1 40.05,49.45 SW8.A ; v2(61.45,59.85) 61.4,59.8 R65.2
  Top w0.4: 49.03,49.75 49.03,47.12 49.65,46.5 C39.1 ; R75.2 54.3,49.7 53.1,50.9 51.1,50.9 v2(49.2,52.8)
  Top w0.6: 46.89,45.45 46.89,49.34 v2(47.3,49.75) 49.03,49.75
  Bottom w0.6: v2(46.93,52.84) 49.36,52.84
  Bottom w1.8: v2(65.45,62.2) 65.1,62.55 64.45,62.55 61.75,59.85 v2(61.45,59.85) 61.45,58.45 60.15,57.15 ; 66.1,62.6 65.65,63.05 v2(65.65,63.35)
  Bottom w2: 60.15,57.15 56.55,57.15 52.2,52.8 v2(49.2,52.8)
  vias: v2(46.25,50.35) v2(46.25,49.2) v2(48.1,52.8) v2(62.5,70.7) v2(66.25,61.5) v2(67.1,62.6) v2(97.9,51.3) v2(99.2,52.2) v2(99.2,50.1) v2(100.7,48.3) v2(100.8,51.4) v2(101.2,49.8) v2(108.75,46.58) v2(109.25,47.25) v2(109.75,46.58)
//enable_tof_3v3: length 6.4
  Top w0.25: v2(32,62.8) 29.5,62.8 28.85,62.15 J1#2.7
  Bottom w0.25: Q1#2.1 32.1,62.9 v2(32,62.8)
//reset_tof_com_3v3: length 5.8
  Bottom w0.25: J1#2.8 31.39,61.21 30.2,62.4 Q1#2.2 29.91,64.35 R18#2.2
/actuators//reset_tof_3v3: length 114.5
  Top w0.25: U26.8 67.5,78.5 66.1,77.1 66.1,76.52 64.58,75 55.49,75 54.11,73.62 v3(50.62,73.62) ; U26.8 68.61,82.31 69.4,83.1 75.73,83.1 75.73,83.1 91.42,83.1 94.92,79.6 97.64,79.6 99.34,81.3 105.45,81.3 105.56,81.19 v2(110.1,81.19) ; U23.15 114.54,60.2 114.55,60.19 v2(114.8,60.19)
  Bottom w0.25: v2(110.1,81.19) 110.1,81.1 114.08,77.12 U10.8 117.7,76.07 117.7,74.3 117.43,74.03 117.43,61.56 116.97,61.1 116.65,61.1 115.73,60.19 v2(114.8,60.19) ; v3(50.62,73.62) 50.62,70.76 39.2,59.34 U6.8
/actuators/dig_servo_cmd: length 87.8
  Top w0.25: R159.1 R158.1 v3(88,13.7) ; v2(50.31,21.7) 54.25,21.7 v2(54.7,21.25) ; v3(60.31,54.55) 60.45,54.55 61.4,55.5 R65.1 ; 67.7,13.6 R156.1 v3(66.6,14.5)
  In1.Cu w0.25: v3(66.6,14.5) 73.32,14.5 74.67,15.84 79.86,15.84 81.5,14.2 87.5,14.2 v3(88,13.7)
  Bottom w0.25: v3(60.31,54.55) 59.55,54.55 50.31,45.31 v2(50.31,21.7) ; v3(66.6,14.5) 64.75,16.35 J50.2 ; J50.2 63.95,19.8 59.8,19.8 59.05,20.55 55.4,20.55 v2(54.7,21.25)